# Altium PCB DB46.PcbDoc (part 2 of 6) (continued)
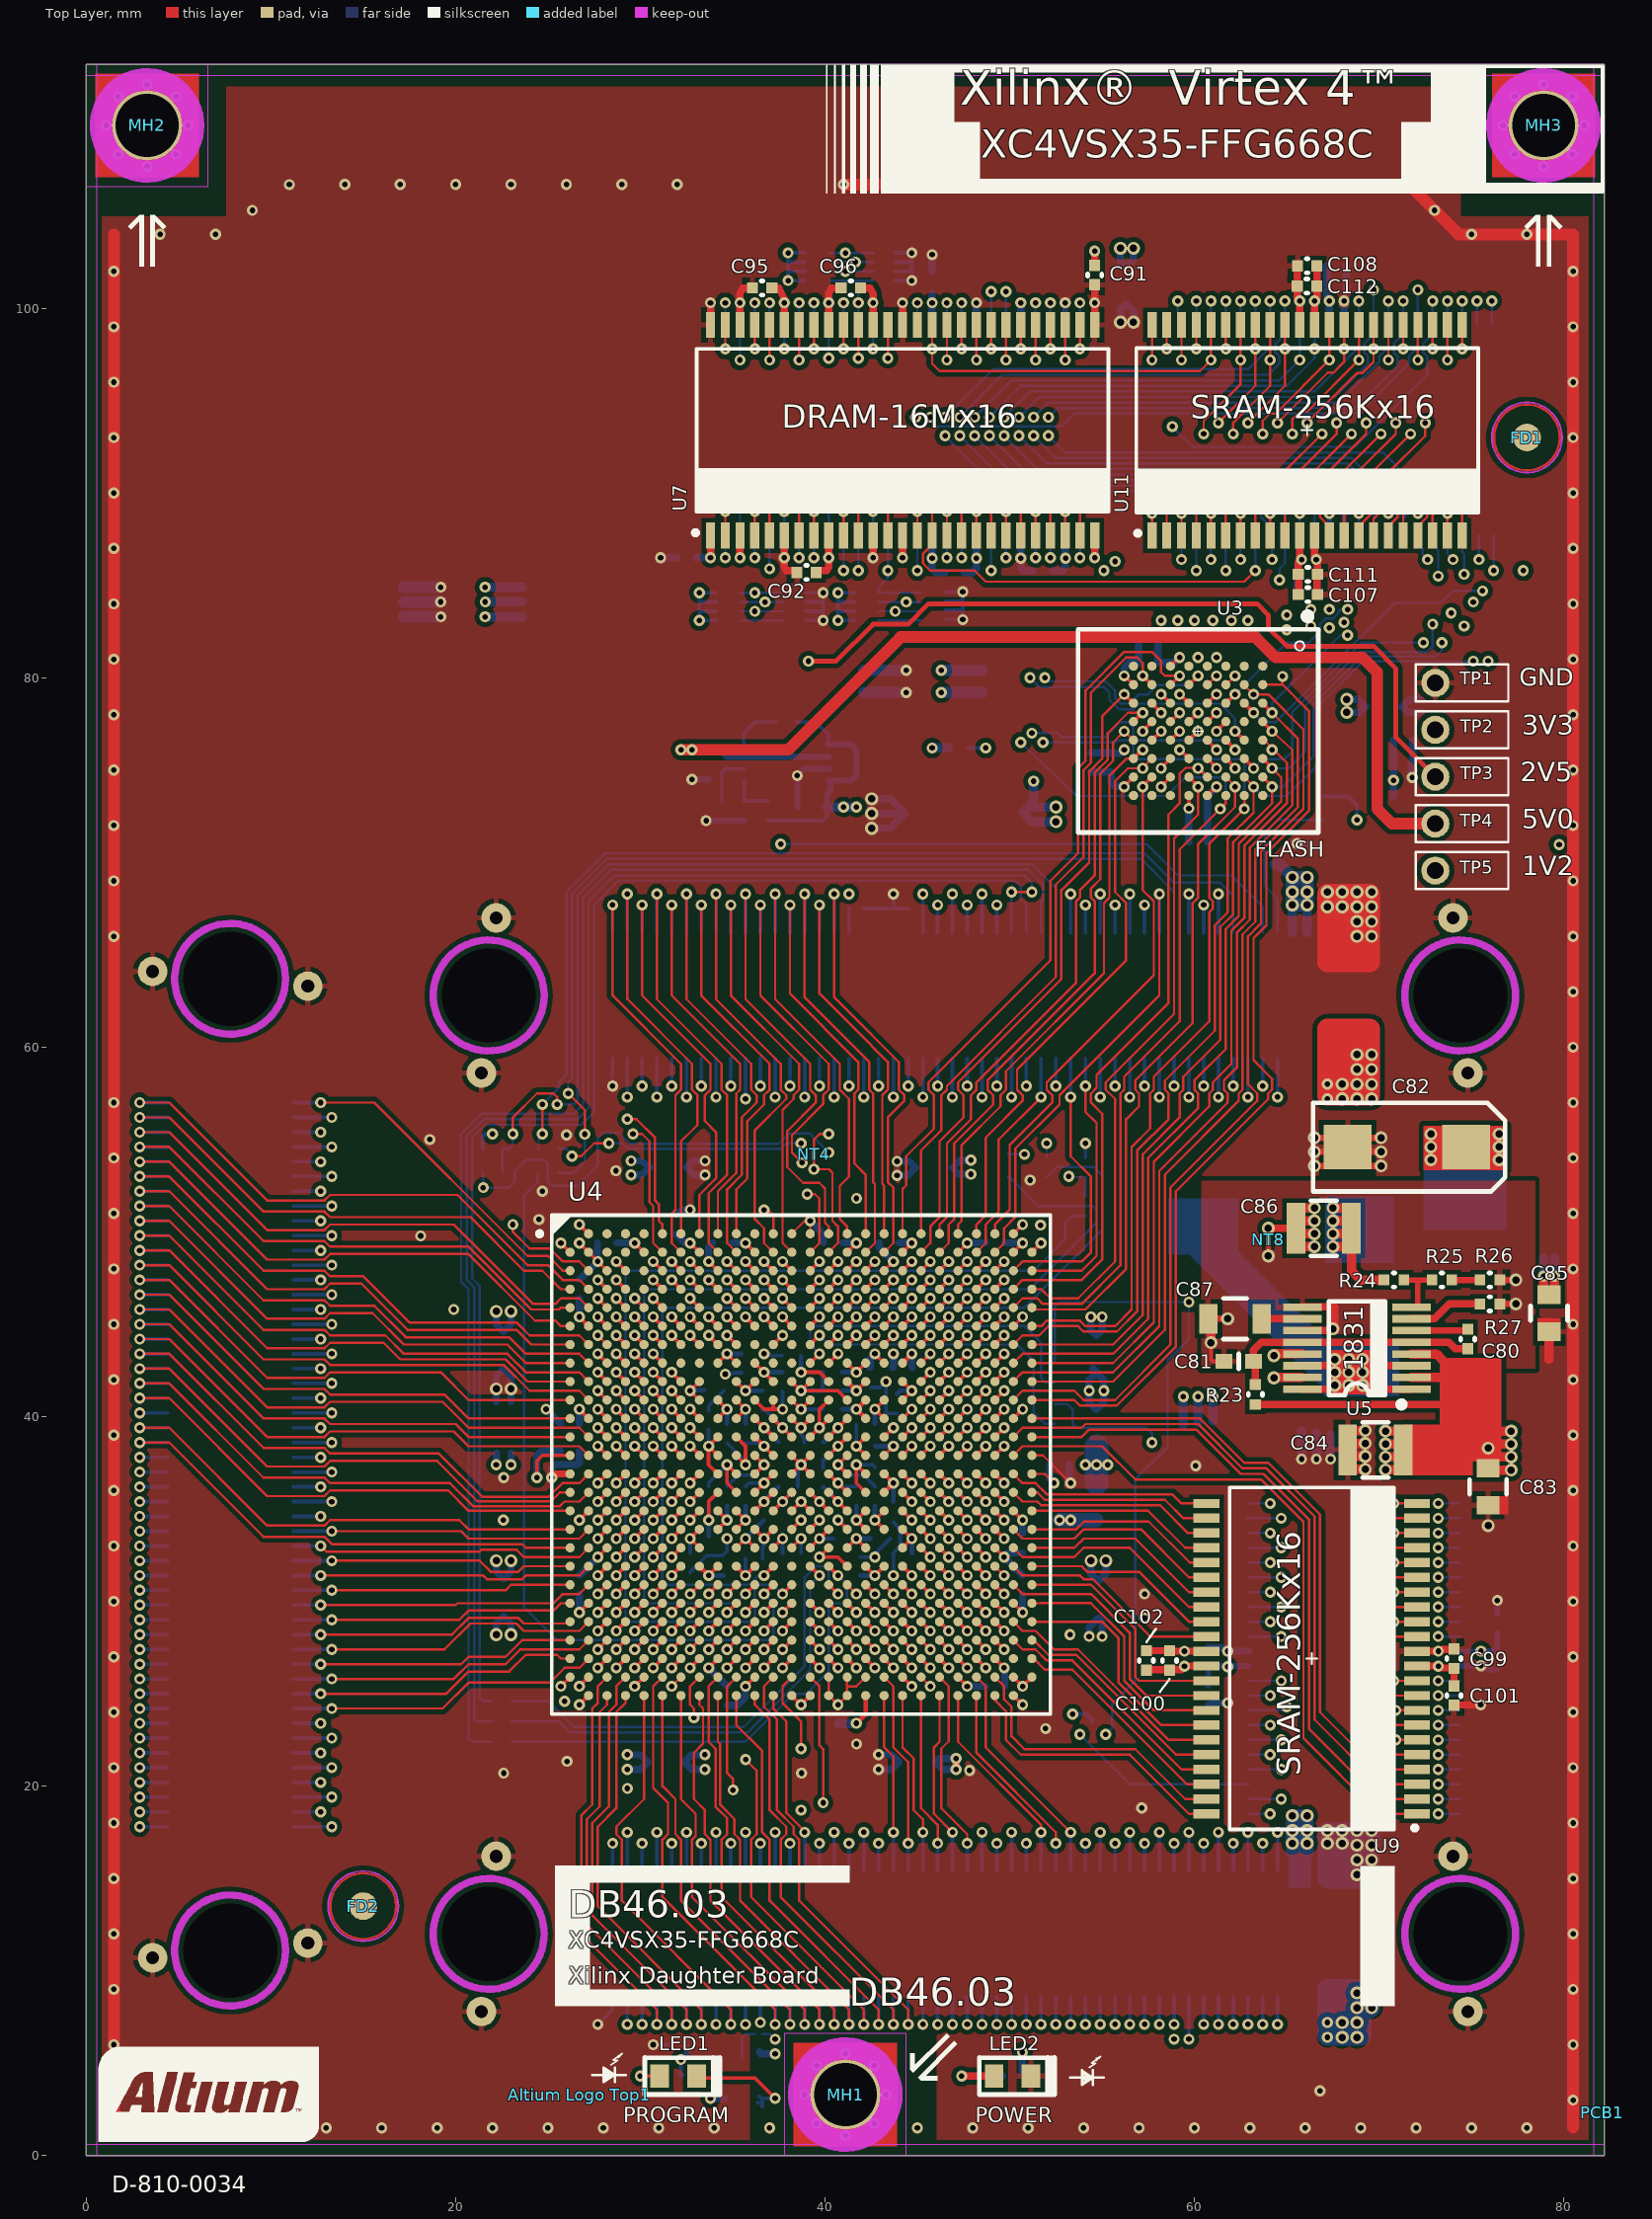
[diagram p0: Top Layer view]
## Nets (pads, with @x,y where several pads share a name; then routed paths per layer and width w, separated by ;. In a path a pad name is that pad's centre, name@x,y a point inside that pad or via, vN(x,y) a via of type N, cw(c..) or ccw(c..) an arc to the next point about the centre after c; other vN are vias at no path point) (continued)
  Top Layer w0.635: v2(32.2,76.1) 38,76.1 44.1,82.2 63.3,82.2 64.4,81.1 69.1,81.1 69.9,80.3 69.9,73.8 69.9,72.9 70.698,72.102 TP4.1@73.043,72.102
  Top Layer w1.1: v1@67.2,57.4 69.5,57.4 69.5,61 67.2,61 v1@67.2,57.4
  MidLayer4 w0.635: TP4.1@73.043,72.102 74.182,70.963 v1(79.746,70.963)
  Bottom Layer w0.33: C89.1@33.7,76.1 34.3,76.1 34.675,75.725 U6.2@40.2,75.725
  Bottom Layer w0.508: v2(32.2,76.1) C89.1@33.7,76.1
  Bottom Layer w1.1: 67.3,6.7 v3@68,6.7 ; v3@69,6.5 69.05,6.5 68.8,6.5 68,6.5 67.2,6.5 67.2,9 69.5,9 69.5,8.8 v3@69.5,8 ; v1@67.2,57.4 69.5,57.4 69.5,58 69.5,58.8 69.5,59.6 69.5,59.8 67.2,59.8 v1@67.2,57.4
  other v1: 67.2,6.4 67.2,7.2 67.2,57.2 67.2,58
  other v2: 32.8,76.1
  other v3: 68,6.4 68.8,6.4 68,7.2 68.8,7.2 68.8,8 69.6,8 68.8,8.8 69.6,8.8 68,57.2 68.8,57.2 69.6,57.2 68,58 68.8,58 69.6,58 68.8,58.8 69.6,58.8 68.8,59.6 69.6,59.6
AGND: C81.2 C87.1 NT8.1 R26.2 R27.2 U5.9 U5.11 | length 11
  Top Layer w0.2: v3(60.9,44) 60.9,43.1 61,43 C81.2@61.6,43
  Top Layer w0.35: C87.1@60.75,45.3 v3(61.8,45.3) ; R27.2@76.538,46.1 v3(77.4,46.1) ; R26.2@76.538,47.4 v3(77.4,47.4)
  Top Layer w0.4: U5.9@65.765,45.94 65.813,45.941 65.851,45.941 67.598,45.945 67.598,45.943 ; U5.11@65.813,44.659 U5.11@65.852,44.659 67.403,44.659 v3(67.493,44.749) ; 67.5,45.943 67.598,45.943 ; v3@67.598,44.749 67.598,44.66 67.598,45.943
  Top Layer w0.5: v3(60.9,44) 60.9,45.15 C87.1@60.75,45.3 C87.1@60.9,45.45
  other v3: 64,48.7
BUS_A1: U3.E2 U4.E18 | length 54.7
  Top Layer w0.2: U4.E18@43.2,45.9 v1(43.7,46.4) ; U3.E2@59.7,79.625 v1(60.2,80.1)
  MidLayer2 w0.127: v1(43.7,46.4) 44.2,46.9 44.2,51.5 44.2,51.8 44.2,52.1 44.6,52.5 45.1,52.5 46.4,53.8 48.7,56.1 51.2,56.1 52.2,57.1 52.2,57.5 51.9,57.8 51.9,67.7 52.1,67.9 52.1,68.3 56.7,72.9 56.7,78.4 57.9,79.6 59.7,79.6 v1(60.2,80.1)
  Bottom Layer w0.127: v1(51.9,80) 52.1,79.8 55.2,79.8 55.7,79.3 55.7,78.9 56,78.6 56.5,78.6 57,79.1 57.5,79.1 58,79.6 59.7,79.6 v1(60.2,80.1)
BUS_A2: U3.D2 U4.M22 U7.23 U8.23 U11.1 U12.1 | length 136.3
  Top Layer w0.127: U7.23@51.4,87.7 v2(51.4,89) ; U11.1@57.7,87.7 v1(57.7,88.9) ; U3.D2@60.7,79.625 60.725,79.625 v1(61.2,80.1)
  Top Layer w0.2: U4.M22@47.2,38.9 v1(47.7,39.4)
  MidLayer1 w0.127: v2(51.4,89) 51.4,89.5 52,90.1 56.5,90.1 v1(57.7,88.9)
  MidLayer2 w0.127: v1(47.7,39.4) 48.2,39.9 52.8,39.9 53.1,39.9 55.4,39.9 60.7,45.2 60.7,54 63.4,56.7 63.4,57.5 63,57.9 63,58.5 62.7,58.8 62.7,67.3 63.4,68 63.4,68.6 62.7,69.3 62.7,71.7 64.7,73.7 64.7,78.4 63.5,79.6 61.7,79.6 v1(61.2,80.1) 62,80.9 71.9,80.9 72.4,81.4 74.2,81.4 76.2,83.4 v1(76.2,85.8)
  MidLayer4 w0.127: v2(37,85.9) 37,88.9 36.5,89.4 36.5,89.8 38,91.3 49.6,91.3 51.4,89.5 v2(51.4,89) ; v1(57.7,88.9) 57.7,89.4 61,92.7 73.778,92.7 76.2,90.278 v1(76.2,85.8)
  Bottom Layer w0.127: v2(37,85.9) U8.23@37,87.7 ; v1(76.2,85.8) U12.1@76.2,87.7
BUS_A3: U3.C2 U4.M19 U7.24 U8.24 U11.2 U12.2 | length 140.3
  Top Layer w0.127: U7.24@52.2,87.7 v2(52.2,89.6) ; U11.2@58.5,87.7 v1(58.5,89.5) ; U3.C2@61.7,79.625 61.725,79.625 v1(62.2,80.1)
  Top Layer w0.178: U4.M19@44.2,38.9 v1(44.7,39.4)
  MidLayer1 w0.127: v2(52.2,89.6) 52.2,89.1 53.2,88.1 58,88.1 58.5,88.6 v1(58.5,89.5)
  MidLayer2 w0.127: v1(44.7,39.4) 45.2,38.9 52.8,38.9 53.1,38.9 54.8,38.9 61,45.1 61,53.8 64,56.8 64,57.5 64.2,57.7 64.2,58.1 63,59.3 63,67.2 63.7,67.9 63.7,68.7 63,69.4 63,71.6 65.1,73.7 65.1,78.5 63.5,80.1 v1(62.2,80.1) 62.2,80.5 62.3,80.6 72.1,80.6 72.5,81 74.3,81 76.7,83.4 76.7,86 76.3,86.4 v1(75.4,86.4)
  MidLayer4 w0.127: v2(36.2,86.5) 36.2,88.2 35.7,88.7 35.7,89.2 36,89.5 36,89.8 37.8,91.6 50.2,91.6 v2(52.2,89.6) ; v1(58.5,89.5) 58.6,89.5 61.5,92.4 73.718,92.4 75.87,90.249 75.87,86.87 v1(75.4,86.4)
  Bottom Layer w0.127: v2(36.2,86.5) U8.24@36.2,87.7 ; v1(75.4,86.4) U12.2@75.4,87.7
BUS_A4: U3.A2 U4.K26 U7.25 U8.25 U11.3 U12.3 | length 120.7
  Top Layer w0.127: U4.K26@51.2,40.9 52.8,40.9 53.1,40.9 53.5,40.9 53.8,40.6 55.8,40.6 59,43.8 59,52.2 64,57.2 64,57.5 64.2,57.7 64.2,58.3 63.2,59.3 63.2,65.9 63.9,66.6 63.9,70.5 66.2,72.8 66.2,78.2 64.775,79.625 ; U7.25@53,87.7 v2(53,89) ; U11.3@59.3,87.7 v1(59.3,88.9) ; U3.A2@63.7,79.625 64.775,79.625 ; v1(64.775,80.075) 64.775,79.625
  MidLayer1 w0.127: v1(64.775,80.075) 69.375,80.075 74.6,85.3 v1(74.6,85.6)
  MidLayer4 w0.127: v2(35.4,89.6) 37.7,91.9 50.612,91.9 53,89.513 v2(53,89) 53.6,88.4 58.8,88.4 v1(59.3,88.9) 59.3,89.8 61.6,92.1 73.659,92.1 75.59,90.169 75.59,87.401 74.6,86.411 v1(74.6,85.6)
  Bottom Layer w0.127: U8.25@35.4,87.7 v2(35.4,89.6) ; U12.3@74.5,87.125 U12.3@74.6,87.225 ; U12.3@74.5,87.7 74.5,86.8 74.6,86.7 v1(74.6,85.6)
BUS_A5: U3.B2 U4.K25 U7.26 U8.26 U11.4 U12.4 | length 126.1
  Top Layer w0.127: U4.K25@50.2,40.9 50.7,41.4 52.8,41.4 53.1,41.4 53.5,41.4 54,40.9 55.7,40.9 58.7,43.9 58.7,52.4 63.4,57.1 63.4,57.5 62.9,58 62.9,66 63.6,66.7 63.6,70.6 65.9,72.9 65.9,77.2 64,79.1 v1(63.2,79.1) 62.7,79.6 U3.B2@62.7,79.625 ; U7.26@53.8,87.7 v2(53.8,89.6) ; U11.4@60.1,87.7 v1(60.1,89.5)
  MidLayer1 w0.127: v2(53.8,89.6) 55,88.4 57.9,88.4 58.2,88.7 58.2,89.1 57.954,89.346 57.954,89.654 58.4,90.1 59.5,90.1 v1(60.1,89.5) ; v1(63.2,79.1) 63.2,79.6 64.2,80.6 69.5,80.6 74,85.1 v1(74,86.4)
  MidLayer4 w0.127: v2(34.6,86.5) 34.6,88.2 34.1,88.7 34.1,89.2 37.1,92.2 51.2,92.2 v2(53.8,89.6) ; v1(60.1,89.5) 60.1,89.8 61.8,91.5 73.5,91.5 74.287,90.712 74.287,89.512 74.5,89.3 74.5,86.9 v1(74,86.4)
  Bottom Layer w0.127: v2(34.6,86.5) U8.26@34.6,87.7 ; U12.4@73.8,87.6 U12.4@73.7,87.7 73.7,86.7 v1(74,86.4)
BUS_A6: U3.D3 U4.E21 U7.29 U8.29 U11.5 U12.5 | length 121.7
  Top Layer w0.127: v2(53.8,97.8) U7.29@53.8,99.1 ; U11.5@60.9,87.7 v1(60.9,88.9)
  Top Layer w0.2: U4.E21@46.2,45.9 v1(46.7,46.4) ; U3.D3@60.7,78.625 v1(61.2,79.1)
  MidLayer1 w0.127: v1(61.2,79.1) 61.6,79.1 61.7,79.2 61.7,79.3 62,79.6 62.8,79.6 64.1,80.9 69.4,80.9 73.2,84.7 v1(73.2,85.5)
  MidLayer2 w0.127: v1(46.7,46.4) 47.2,46.9 47.2,51.5 47.2,51.8 47.2,52.3 47.4,52.5 48.1,52.5 48.6,53 48.6,54.4 49.4,55.2 51.5,55.2 51.8,55.5 52.9,55.5 53.8,56.4 53.8,57.5 53.5,57.8 53.5,58.2 53.9,58.6 53.9,67.2 53.6,67.5 53.6,67.9 53.8,68.1 53.8,69 57.3,72.5 58.2,72.5 58.7,73 58.7,78.3 59,78.6 59.7,78.6 60.2,79.1 v1(61.2,79.1)
  MidLayer3 w0.127: v2(53.8,97.8) 53.8,97.1 60.9,90 v1(60.9,88.9)
  MidLayer4 w0.127: v2(34.6,100.3) 34.6,98.7 34.1,98.2 34.1,97.6 37.1,94.6 51.1,94.6 53.8,97.3 v2(53.8,97.8) ; v1(60.9,88.9) 60.9,89.812 61.987,90.9 72.5,90.9 72.8,90.6 72.8,90.319 73.4,89.719 73.4,89.3 73.2,89.1 v1(73.2,85.5)
  Bottom Layer w0.127: U8.29@34.6,99.1 v2(34.6,100.3) ; U12.5@72.9,87.7 72.9,87.2 73.2,86.9 v1(73.2,85.5)
BUS_A7: U3.C3 U4.L19 U7.30 U8.30 U11.18 U12.18 | length 129.2
  Top Layer w0.127: v2(53,97.2) U7.30@53,99.1 ; U11.18@71.3,87.7 71.3,88.8 71.8,89.3 71.8,89.6 v1(72.3,90.3)
  Top Layer w0.178: U4.L19@44.2,39.9 v1(44.7,40.4)
  Top Layer w0.2: U3.C3@61.7,78.625 v1(62.2,79.1)
  MidLayer2 w0.127: v1(44.7,40.4) 45.2,40.9 52.8,40.9 53.1,40.9 55.975,40.9 59,43.925 60.4,45.325 60.4,54.2 62.4,56.2 62.4,57.5 62.7,57.8 62.7,58.3 62.4,58.6 62.4,71.8 63.7,73.1 63.7,78.3 63.4,78.6 62.7,78.6 v1(62.2,79.1) ; v1(68.3,83.7) 71,86.4 71,88.5 71.8,89.3 71.8,89.8 v1(72.3,90.3)
  MidLayer3 w0.127: v2(53,97.2) 53,98 53.3,98.3 54,98.3 54.3,98 54.3,97.2 61.2,90.3 61.2,89.3 62.5,88 v2(62.5,86.4)
  MidLayer4 w0.127: v2(35.4,97.2) 37.7,94.9 50.7,94.9 v2(53,97.2) ; v2(62.5,86.4) 64,87.9 70.4,87.9 71.8,89.3 71.8,89.8 v1(72.3,90.3)
  Bottom Layer w0.127: v2(35.4,97.2) U8.30@35.4,99.1 ; v1(62.2,79.1) 65,81.9 66.2,81.9 66.8,82.5 66.8,82.9 67.1,83.2 67.5,83.2 67.8,83.5 67.8,83.6 67.9,83.7 v1(68.3,83.7) ; v2(62.5,86.4) U12.18@62.5,88.2
BUS_A8: U3.A3 U4.J26 U7.31 U8.31 U11.19 U12.19 | length 120.3
  Top Layer w0.127: U4.J26@51.2,41.9 52.8,41.9 53.1,41.9 55.6,41.9 58.4,44.7 58.4,53.1 62.4,57.1 62.4,57.5 62.6,57.7 62.6,66.1 63.3,66.8 63.3,70.7 65.6,73 65.6,76.7 v1(64.2,78.1) ; v2(52.2,97.8) U7.31@52.2,99.1 ; U11.19@72.1,87.7 72.1,88.2 72.6,88.7 72.6,89.2 v1(72.9,89.5)
  Top Layer w0.2: U3.A3@63.7,78.625 v1(64.2,78.1)
  MidLayer2 w0.127: v1(68.3,82.3) 68.8,82.3 71.8,85.3 71.8,87.3 72.9,88.4 v1(72.9,89.5)
  MidLayer3 w0.127: v2(52.2,97.8) 52.2,97 52.846,96.354 53.946,96.354 60.2,90.1 60.6,89.7 60.6,89.288 60.588,89.288 60.4,89.1 60.4,88.4 61.7,87.1 v1(61.7,85.8)
  MidLayer4 w0.127: v2(36.2,100.3) 36.2,98.7 35.7,98.2 35.7,97.6 36,97.3 36,97.1 37.9,95.2 50.2,95.2 52.2,97.2 v2(52.2,97.8) ; v1(61.7,85.8) 62.2,85.3 63.8,85.3 65.9,87.4 71.4,87.4 72.6,88.6 72.6,89.2 v1(72.9,89.5)
  Bottom Layer w0.127: U8.31@36.2,99.1 v2(36.2,100.3) ; v1(61.7,85.8) U12.19@61.7,87.7 ; v1(64.2,78.1) 64.2,78.6 67.9,82.3 v1(68.3,82.3)
BUS_A9: U3.B6 U4.L23 U7.32 U8.32 U11.20 U12.20 | length 132.2
  Top Layer w0.127: v2(51.4,97.2) U7.32@51.4,99.1 ; U11.20@72.9,87.7 72.9,88.8 73.7,89.6 v1(73.7,90.5)
  Top Layer w0.2: U4.L23@48.2,39.9 v1(48.7,40.4) ; U3.B6@62.7,75.625 v1@63.2,75.125
  MidLayer1 w0.127: v1(48.7,40.4) 49.2,40.9 50.1,40.9 50.4,41.2 52.8,41.2 53.1,41.2 53.4,41.2 54.1,41.9 55.9,41.9 58.4,44.4 58.4,53.3 62.409,57.309 62.409,57.49 62.4,57.5 62.7,57.8 62.7,59 64,60.3 64,69.4 ; v1@63.2,75.125 63.7,74.625 63.7,74.6 63.7,73.4 63.999,73.1 64,68.8
  MidLayer3 w0.127: v2(51.4,97.2) 52.5,96.1 53.4,96.1 53.9,95.6 59.6,89.9 59.6,89.3 60.1,88.8 60.1,87.2 v2(60.9,86.4) ; v1(72.4,81.9) 72.4,85.4 73.2,86.2 73.2,89.1 73.7,89.6 ; 73.7,89.6 v1(73.7,90.5)
  MidLayer4 w0.127: v2(37,100.3) 37,97.9 36.5,97.4 36.5,97 38,95.5 49.7,95.5 v2(51.4,97.2) ; v2(60.9,86.4) 60.9,85.3 61.7,84.5 73.1,84.5 73.8,85.2 73.8,85.8 73.5,86.1 73.5,88 74.2,88.7 74.2,89.1 74,89.3 74,90.2 v1(73.7,90.5)
  Bottom Layer w0.127: U8.32@37,99.1 v2(37,100.3) ; v2(60.9,86.4) U12.20@60.9,87.7 ; v1(63.2,75.1) 63.7,75.6 64.9,75.6 65.3,76 65.3,78.141 69.059,81.9 v1(72.4,81.9)
BUS_A10: U3.A6 U4.H25 U7.33 U8.33 U11.21 U12.21 | length 120.9
  Top Layer w0.127: U4.H25@50.2,42.9 50.7,43.4 52.8,43.4 53.1,43.4 55.6,43.4 57.5,45.3 57.5,54 60.2,56.7 60.2,57.5 60,57.7 60,58.2 61.7,59.9 61.7,66.4 62.4,67.1 62.4,69.904 ; v2(50.6,97.8) U7.33@50.6,99.1 ; 62.4,69.6 62.4,71 64.7,73.3 64.7,74.6 v1(64.2,75.1) v1@64.2,75.125 ; U11.21@73.7,87.7 v1(73.7,88.9)
  Top Layer w0.2: U3.A6@63.7,75.625 v1@64.2,75.125
  MidLayer2 w0.127: v1(72.9,82.9) 72.9,84.3 73.7,85.1 73.7,85.9 73.5,86.1 73.5,88.1 73.7,88.3 v1(73.7,88.9)
  MidLayer3 w0.127: v2(50.6,97.8) 50.6,96.8 51.6,95.8 53.3,95.8 59,90.1 59,89.3 58.8,89.1 58.8,87.6 60.1,86.3 v1(60.1,85.8)
  MidLayer4 w0.127: v2(37.8,97.8) 37.8,96.9 38.9,95.8 49.2,95.8 50.6,97.2 v2(50.6,97.8) ; v1(60.1,85.8) 60.1,88.8 60.588,89.288 60.6,89.288 60.6,89.919 61.881,91.2 72.7,91.2 73.1,90.8 73.1,90.4 73.7,89.8 v1(73.7,88.9)
  Bottom Layer w0.127: v2(37.8,97.8) U8.33@37.8,99.1 ; v1(60.1,85.8) U12.21@60.1,87.7 ; v1(64.2,75.1) 65.1,75.1 66,76 66,78.481 68.918,81.4 72.6,81.4 72.9,81.7 v1(72.9,82.9)
BUS_A11: U3.C6 U4.K24 U7.34 U8.34 U11.22 U12.22 | length 127.8
  Top Layer w0.127: v2(49.8,97.2) U7.34@49.8,99.1 ; U11.22@74.5,87.7 74.5,89.4 v1(74.8,89.7)
  Top Layer w0.2: U4.K24@49.2,40.9 v1(49.7,41.4) ; U3.C6@61.7,75.625 v1@62.2,75.125
  MidLayer1 w0.127: v1(49.7,41.4) 50.1,41.4 50.3,41.6 52.8,41.6 53.1,41.6 53.4,41.6 54,42.2 55.8,42.2 58.1,44.5 58.1,53.4 61.8,57.1 61.8,57.5 61.5,57.8 61.5,58.4 63.7,60.6 63.7,72.9 62.7,73.9 62.7,74.625 v1@62.2,75.125
  MidLayer2 w0.127: v1(74.6,82.8) 74.6,84.8 75.1,85.3 75.1,85.9 74.8,86.2 v1(74.8,89.7)
  MidLayer3 w0.127: v2(49.8,97.2) 51.5,95.5 53.2,95.5 57.9,90.8 57.9,89.4 58.2,89.1 58.2,87.5 v2(59.3,86.4)
  MidLayer4 w0.127: v2(38.6,100.3) 38.6,97.9 38.1,97.4 38.1,97 39,96.1 48.7,96.1 v2(49.8,97.2) ; v2(59.3,86.4) 59.3,88.2 59.8,88.7 59.8,89.1 59.6,89.3 59.6,89.7 61.7,91.8 73.6,91.8 74.8,90.6 v1(74.8,89.7) ; v1(62.2,75.1) 62.7,75.6 67.3,75.6 72.7,81 74,81 74.6,81.6 v1(74.6,82.8)
  Bottom Layer w0.127: U8.34@38.6,99.1 v2(38.6,100.3) ; v2(59.3,86.4) U12.22@59.3,87.7
BUS_A12: U3.D6 U4.K23 U7.22 U8.22 U11.23 U12.23 | length 139.2
  Top Layer w0.127: U7.22@50.6,87.7 v2(50.6,89.6) ; v2(74.5,97.8) U11.23@74.5,99.1
  Top Layer w0.2: U4.K23@48.2,40.9 v1(48.7,41.4) ; U3.D6@60.7,75.625 v1@61.2,75.125
  MidLayer1 w0.127: v1(48.7,41.4) 49.2,41.9 52.8,41.9 53.1,41.9 53.3,41.9 53.9,42.5 55.7,42.5 57.8,44.6 57.8,53.5 60.8,56.5 60.8,57.5 61.1,57.8 61.1,58.5 61.4,58.8 61.8,59.201 62.2,59.6 62.2,73.4 61.7,73.9 61.7,74.6 v1(61.2,75.1) 61.2,75.125 v1@61.213,75.113
  MidLayer2 w0.127: v2(50.6,89.6) 51.4,90.4 54.4,90.4 58.8,94.8 58.8,97.4 59.1,97.7 v2(59.1,100.4) ; v2(74.5,97.8) 74.5,91.7 77.3,88.9 77.3,82.3 v1(75.9,80.9)
  MidLayer4 w0.127: v2(37.8,89) 37.8,89.9 38.9,91 49.2,91 v2(50.6,89.6) ; v2(59.1,100.4) 59.1,99.9 59.3,99.7 59.3,97.9 59.8,97.4 59.8,96.8 60.2,96.4 74,96.4 74.5,96.9 v2(74.5,97.8) ; v1(61.2,75.1) 61.7,74.6 69.6,74.6 70.974,75.974 74.074,75.974 75.9,77.8 v1(75.9,80.9)
  Bottom Layer w0.127: U8.22@37.8,87.7 v2(37.8,89) ; v2(59.1,100.4) 59.1,99.8 59.3,99.6 U12.23@59.3,99.1
BUS_A13: U3.B7 U4.G25 U7.35 U8.35 U11.24 U12.24 | length 127.6
  Top Layer w0.127: v2(49,97.8) U7.35@49,99.1 ; U4.G25@50.2,43.9 50.7,44.4 51.6,44.4 52.1,44.9 52.8,44.9 53.1,44.9 53.7,44.9 53.987,44.612 55.812,44.612 56.9,45.7 56.9,54.4 58.6,56.1 58.6,57.5 58.4,57.7 58.4,58.187 61.1,60.887 61.1,66.6 61.8,67.3 61.8,71.3 63.2,72.7 63.2,74.125 U3.B7@62.7,74.625 ; v2(73.7,97.2) U11.24@73.7,99.1
  MidLayer1 w0.127: v2(49,97.8) 49,99.4 51.1,101.5 59,101.5 v2(60.1,100.4)
  MidLayer2 w0.127: v2(73.7,97.2) 74,96.9 74,91.6 77,88.6 77,82.8 v1(75.1,80.9)
  MidLayer4 w0.127: v2(39.4,100.3) 39.4,98.6 38.9,98.1 38.9,97.6 40.1,96.4 48.2,96.4 49,97.2 v2(49,97.8) ; v2(60.1,100.4) 61.5,101.8 72,101.8 72.6,101.2 72.6,100.8 72.4,100.6 72.4,99.2 73.4,98.2 73.4,97.5 v2(73.7,97.2)
  Bottom Layer w0.127: U8.35@39.4,98.6 39.4,99.1 v2(39.4,100.3) ; U12.24@60.1,99.1 v2(60.1,100.4) ; v1(63.2,74.1) 63.7,73.6 65,73.6 66.713,75.313 66.713,78.476 69.129,80.892 75.092,80.892 v1(75.1,80.9)
BUS_A14: U3.A7 U4.G26 U7.36 U8.36 U11.25 U12.25 | length 117.5
  Top Layer w0.127: v2(48.2,97.2) U7.36@48.2,99.1 ; U4.G26@51.2,43.9 52.8,43.9 53.1,43.9 55.6,43.9 57.2,45.5 57.2,54.2 59.2,56.2 59.2,57.5 59.4,57.7 59.4,58.4 61.4,60.4 61.4,66.5 62.1,67.2 62.1,71.1 64.2,73.2 v1@64.2,74.125 ; v2(72.9,97.8) U11.25@72.9,99.1
  Top Layer w0.2: U3.A7@63.7,74.625 v1@64.2,74.125
  MidLayer1 w0.127: v2(48.2,97.2) 48.2,99.6 48.7,100.1 48.7,100.5 48.5,100.7 48.5,101.1 48.8,101.4 50.5,101.4 50.9,101.8 59.5,101.8 v2(60.9,100.4)
  MidLayer3 w0.127: v2(72.9,97.8) 73.2,97.5 73.2,96.9 74.2,95.9 74.2,90.3 74,90.1 74,89.3 74.2,89.1 74.2,87.5 73.5,86.8 73.5,86.1 73.7,85.9 73.7,85.2 73.4,84.9 v1(73.4,81.9)
  MidLayer4 w0.127: v2(40.2,97.3) 40.8,96.7 47.7,96.7 v2(48.2,97.2) ; v2(60.9,100.4) 62,101.5 70.9,101.5 72.1,100.3 72.1,98.6 v2(72.9,97.8)
  Bottom Layer w0.127: v2(40.2,97.3) U8.36@40.2,99.1 ; U12.25@60.9,99.1 v2(60.9,100.4) ; v1(64.2,74.1) 64.8,74.1 66.459,75.759 66.459,78.581 69.024,81.146 73.046,81.146 73.4,81.5 v1(73.4,81.9)
BUS_A15: U3.C7 U4.E26 U7.20 U8.20 U11.26 U12.26 | length 118.1
  Top Layer w0.127: U7.20@49,87.7 v2(49,89.6) ; U4.E26@51.2,45.9 51.3,45.8 52.8,45.8 53.1,45.8 54.1,45.8 56.3,48 56.3,56.1 57,56.8 57,57.5 56.8,57.7 56.8,58.2 59.9,61.3 59.9,67.8 60.2,68.1 60.2,71 62.2,73 v1(62.2,74.1) 62.2,74.125 U3.C7@61.7,74.625 ; v2(72.1,97.2) U11.26@72.1,99.1
  MidLayer2 w0.127: v2(49,89.6) 50.1,90.7 54.1,90.7 58.2,94.8 58.2,97.4 58,97.6 58,98.6 58.25,98.85 58.6,99.2 58.6,100.6 58.9,100.9 61.2,100.9 v2(61.7,100.4) ; v1(68.1,83) 68.5,83 71.4,85.9 71.4,87.4 72.6,88.6 72.6,89.1 72.4,89.3 72.4,89.7 72.8,90.1 72.8,90.8 72.3,91.3 72.3,93.3 72,93.6 72,94.1 72.1,94.2 v2(72.1,97.2)
  MidLayer3 w0.127: v1(62.2,74.1) 62.7,74.6 64.4,74.6 67.7,77.9 67.7,82.4 67.8,82.5 67.8,82.7 v1(68.1,83)
  MidLayer4 w0.127: v2(39.4,86.5) 39.4,88.3 38.9,88.8 38.9,89.2 39.2,89.5 39.2,89.8 39.8,90.4 48.2,90.4 v2(49,89.6) ; v2(61.7,100.4) 61.7,99.8 62.8,98.7 69.7,98.7 71.2,97.2 v2(72.1,97.2)
  Bottom Layer w0.127: v2(39.4,86.5) U8.20@39.4,87.7 ; U12.26@61.7,99.1 v2(61.7,100.4)
BUS_A16: U3.D7 U4.D25 U7.21 U8.21 U11.27 U12.27 | length 122.5
  Top Layer w0.127: U7.21@49.8,87.7 v2(49.8,89) ; U4.D25@50.2,46.9 50.7,47.4 52.8,47.4 53.1,47.4 53.9,47.4 55,48.5 55,56.4 54.4,57 54.4,57.5 54.7,57.8 54.7,58.5 58.6,62.4 58.6,72.6 59.2,73.2 59.2,74.8 59.525,75.125 v1@60.2,75.125 ; v2(71.3,97.8) U11.27@71.3,99.1
  Top Layer w0.2: v1@60.2,75.125 60.213,75.113 U3.D7@60.7,74.625
  MidLayer2 w0.127: v2(49.8,89) 48.9,89 48.5,89.4 48.5,89.8 48.9,90.2 49.7,91 53.8,91 57.2,94.4 57.2,98.5 58.2,99.5 58.2,100.6 58.8,101.2 61.8,101.2 62.5,100.5 v2(62.5,100.4) ; v1(67.3,83.7) 70,86.4 70,89.1 70.2,89.3 70.2,89.7 69.9,90 69.9,90.5 71.2,91.8 71.2,93.4 71.4,93.6 71.4,94.1 71.3,94.2 v2(71.3,97.8)
  MidLayer4 w0.127: v2(38.6,86.5) 38.6,88.9 38.1,89.4 38.1,89.8 39,90.7 48.6,90.7 49.8,89.5 v2(49.8,89) ; v1(60.2,75.1) 60.2,76.1 59.7,76.6 59.7,77.3 60,77.6 60.4,77.6 60.7,77.9 60.7,78.3 61,78.6 64.1,78.6 66.8,81.3 66.8,83.2 v1(67.3,83.7) ; v2(62.5,100.4) 62.5,99.8 62.8,99.5 70.7,99.5 71.3,98.9 v2(71.3,97.8)
  Bottom Layer w0.127: v2(38.6,86.5) U8.21@38.6,87.7 ; U12.27@62.5,99.1 v2(62.5,100.4)
BUS_A17: U3.E7 U4.D26 U11.42 U12.42 | length 100.7
  Top Layer w0.127: U4.D26@51.2,46.9 51.7,46.9 52.2,46.4 52.8,46.4 53.1,46.4 53.7,46.4 55.7,48.4 55.7,57.2 55.2,57.7 55.2,58.1 58.9,61.8 58.9,71.3 60.2,72.6 v1(60.2,74.1) ; v2(59.3,97.2) U11.42@59.3,99.1
  Top Layer w0.2: U3.E7@59.7,74.625 v1(60.2,74.1)
  MidLayer3 w0.127: v2(74.5,100.4) 74.5,98.5 75.3,97.7 75.3,97.2 75,96.9 75,90.8 75.3,90.5 75.3,87.1 74.9,86.7 74.9,86.1 75.1,85.9 v1(75.1,84.1)
  MidLayer4 w0.127: v2(59.3,97.2) 59.3,96.7 59.9,96.1 74.1,96.1 75,97 75,98.7 74.5,99.2 v2(74.5,100.4) ; v1(60.2,74.1) 60.7,73.6 73.4,73.6 76.4,76.6 76.4,82.8 v1(75.1,84.1)
  Bottom Layer w0.127: U12.42@74.5,99.1 v2(74.5,100.4)
BUS_A18: U3.B3 U4.K22 U11.43 U12.43 | length 104.9
  Top Layer w0.127: v2(58.5,97.8) U11.43@58.5,99.1 ; v1(63.2,78.1) v1@63.2,78.125
  Top Layer w0.2: U4.K22@47.2,40.9 v1(47.7,41.4) ; U3.B3@62.7,78.625 v1@63.2,78.125
  MidLayer2 w0.127: v1(47.7,41.4) 48.2,41.9 50.8,41.9 51.4,42.5 52.8,42.5 53.1,42.5 54.8,42.5 58.6,46.3 60.1,47.8 60.1,54.4 61.9,56.2 61.9,57.4 61.5,57.8 61.5,58.3 62.1,58.9 62.1,67.9 62.1,72.2 62.2,72.3 62.2,73.3 62.7,73.8 62.7,75.6 62.7,77.6 v1(63.2,78.1)
  MidLayer3 w0.127: v2(75.3,100.4) 75.3,98.2 75.6,97.9 75.6,97 75.3,96.7 75.3,91 75.6,90.7 75.6,87 75.9,86.7 75.9,86.2 75.6,85.9 v1(75.6,84.7)
  MidLayer4 w0.127: v2(58.5,97.8) 58.5,97.1 59.8,95.8 74.2,95.8 75.3,96.9 v2(75.3,100.4)
  Bottom Layer w0.127: v1(63.2,78.1) 63.7,77.6 64.4,77.6 70.85,84.05 73.35,84.05 74,84.7 v1(75.6,84.7) ; U12.43@75.3,99.1 v2(75.3,100.4)
BUS_A19: U3.C4 U4.H22 U11.44 U12.44 | length 109.5
  Top Layer w0.127: v2(57.7,97.2) U11.44@57.7,99.1
  Top Layer w0.2: U4.H22@47.2,42.9 v1(47.7,43.4) ; v1(61.2,77.1) U3.C4@61.7,77.625
  MidLayer2 w0.127: v1(47.7,43.4) 48.2,43.9 52.8,43.9 53.1,43.9 55.3,43.9 59.5,48.1 59.5,54.875 60.2,55.575 60.2,57.5 59.9,57.8 59.9,58.2 59.5,58.6 59.5,67.7 59.2,68 59.2,71.5 60.7,73 60.7,76.6 v1(61.2,77.1)
  MidLayer3 w0.127: v2(76.1,100.4) 76.1,99.7 75.9,99.5 75.9,96.7 75.6,96.4 75.6,91.2 75.9,90.9 75.9,87.7 76.1,87.5 v1(77.8,85.8)
  MidLayer4 w0.127: v2(57.7,97.2) 59.4,95.5 74.337,95.5 76.1,97.262 v2(76.1,100.4) ; v1(61.2,77.1) 61.7,76.6 67.8,76.6 72.5,81.3 73.7,81.3 74,81.6 74,82.9 74.5,83.4 74.5,84.3 75.4,85.2 77.1,85.2 77.7,85.8 v1(77.8,85.8)
  Bottom Layer w0.127: U12.44@76.1,99.1 v2(76.1,100.4)
BUS_A20: U3.D5 U4.J23 U11.28 U12.28 | length 87
  Top Layer w0.127: v2(70.5,97.2) U11.28@70.5,99.1
  Top Layer w0.2: U4.J23@48.2,41.9 v1(48.7,42.4) ; U3.D5@60.7,76.625 v1(61.2,76.1)
  MidLayer1 w0.127: v1(48.7,42.4) 49.2,42.9 52.8,42.9 53.1,42.9 55.7,42.9 57.4,44.6 57.4,54.3 60.2,57.1 60.2,57.5 59.9,57.8 59.9,58.1 61.9,60.1 61.9,71.3 60.7,72.5 60.7,75.6 v1(61.2,76.1)
  MidLayer2 w0.127: v2(63.3,100.4) 63.8,100.9 69.1,100.9 69.7,100.3 69.7,98.9 70.5,98.1 70.5,94.2 70.4,94.1 70.4,93.6 70.7,93.3 70.7,92 69.4,90.7 69.4,89.9 69.2,89.7 69.2,89.3 69.4,89.1 69.4,86.7 66.8,84.1 66.8,83.2 v1(67.3,82.7)
  MidLayer4 w0.127: v1(61.2,76.1) 60.7,76.6 60.7,77.3 61,77.6 64.4,77.6 67.3,80.5 v1(67.3,82.7)
  Bottom Layer w0.127: U12.28@63.3,99.1 v2(63.3,100.4)
BUS_A21: U3.D4 U4.J22 | length 47.1
  Top Layer w0.2: U4.J22@47.2,41.9 v1(47.7,42.4) ; U3.D4@60.7,77.625 v1(61.2,78.1)
  MidLayer2 w0.127: v1(47.7,42.4) 48.2,42.9 52.8,42.9 53.1,42.9 54.8,42.9 59.8,47.9 59.8,54.625 60.5,55.325 60.5,57.2 61.1,57.8 61.1,58.4 61.8,59.1 61.8,69.825 61.8,72.5 61.9,72.6 61.9,73.1 61.7,73.3 61.7,73.9 61.7,77.6 v1(61.2,78.1)
BUS_A22: U3.C5 U4.L24 | length 61.5
  Top Layer w0.2: U4.L24@49.2,39.9 v1(49.7,40.4) ; U3.C5@61.7,76.625 v1@62.2,76.125
  MidLayer1 w0.127: v1(49.7,40.4) 50,40.4 50.5,40.9 52.8,40.9 53.1,40.9 55.3,40.9 58.7,44.3 58.7,53.2 62.3,56.8 63.2,56.8 63.4,57 63.4,57.5 63.1,57.8 63.1,58.9 64.3,60.1 64.3,69.7 64.7,70.1 64.7,75.4 64.5,75.6 63.7,75.6 63.175,76.125 v1@62.2,76.125
  Bottom Layer w0.127: v1(51.2,77) 52.6,77 52.8,76.8 55.2,76.8 56,77.6 56.4,77.6 56.7,77.3 56.7,76.8 56.9,76.6 61.7,76.6 62.175,76.125 v1@62.2,76.125
  other v1: 62.2,76.1
BUS_A23: U3.B8 U4.F26 | length 50.8
  Top Layer w0.127: U4.F26@51.2,44.9 51.7,44.9 52,45.2 52.8,45.2 53.1,45.2 53.8,45.2 54.1,44.9 55.7,44.9 56.6,45.8 56.6,54.6 57.6,55.6 57.6,57.5 57.8,57.7 57.8,58.4 60.8,61.4 60.8,67.3 61,67.5 61,67.9 60.8,68.1 60.8,71 v1(62.7,72.9) U3.B8@62.7,73.625
  Bottom Layer w0.127: v1(51.8,76.5) 55.725,76.5 55.825,76.6 56.5,76.6 56.7,76.4 56.7,75.8 56.9,75.6 62.5,75.6 62.7,75.4 v1(62.7,72.9)
BUS_A24: U3.C8 U4.E25 | length 49.2
  Top Layer w0.127: U4.E25@50.2,45.9 50.7,46.4 51.225,46.4 51.487,46.4 51.788,46.1 52.8,46.1 53.1,46.1 53.9,46.1 56,48.2 56,57.5 56.2,57.7 56.2,58.4 59.2,61.4 59.2,70.7 v1(61.4,72.9) 61.7,73.2 U3.C8@61.7,73.625
  Bottom Layer w0.127: v1(50.6,76.5) 53.6,73.6 58.5,73.6 59.5,74.6 61.5,74.6 61.7,74.4 61.7,73.2 v1(61.4,72.9)
BUS_D0: U3.E3 U4.E20 U7.2 U11.7 | length 100.8
  Top Layer w0.127: U7.2@34.6,87.7 v2(34.6,89) ; U11.7@62.5,87.7 v1(62.5,88.9) 62.5,89.4 64.1,91 64.7,91 v2(66.9,93.2)
  Top Layer w0.2: U4.E20@45.2,45.9 v1(45.7,46.4) ; v1(59.2,79.1) U3.E3@59.7,78.625
  MidLayer1 w0.127: v2(34.6,89) 34.6,89.5 37.6,92.5 56.8,92.5 57,92.7 66.4,92.7 v2(66.9,93.2) ; v1(59.2,79.1) 57.7,80.6 57.7,83.4 59.2,84.9 62.3,84.9 62.8,85.4 62.8,86 63,86.2 63,86.6 62.5,87.1 v1(62.5,88.9)
  MidLayer2 w0.127: v1(45.7,46.4) 46.2,46.9 46.2,51.5 46.2,51.8 46.2,53.1 48.8,55.7 51.4,55.7 51.7,56 52.6,56 52.8,56.2 52.8,57.5 53.1,57.8 53.1,67.7 52.8,68 52.8,68.5 53.2,68.9 ; 52.95,68.65 57.7,73.4 57.7,78.4 57.9,78.6 58.475,78.6 58.975,79.1 v1(59.2,79.1)
BUS_D1: U3.H3 U4.B20 U7.4 U11.8 | length 95.1
  Top Layer w0.127: U7.4@36.2,87.7 v2(36.2,89) ; U4.B20@45.2,48.9 45.7,49.4 45.7,50.3 46.2,50.8 46.2,51.5 46.2,51.8 46.2,54.9 47.5,56.2 47.5,57.4 47.2,57.7 47.2,58.1 52.8,63.7 52.8,68.5 54.3,70 54.3,74.918 55,75.618 55,77.9 v1(56.2,79.1) ; U11.8@63.3,87.7 v1(63.3,89.5) 64.4,90.6 65.1,90.6 67.7,93.2 v2(67.7,93.8)
  Top Layer w0.2: v1(56.2,79.1) U3.H3@56.7,78.625
  MidLayer1 w0.127: v2(36.2,89) 36.2,89.5 38.9,92.2 57,92.2 57.2,92.4 66.8,92.4 67.7,93.3 v2(67.7,93.8) ; v1(56.2,79.1) 56.7,79.6 56.7,82.9 59.1,85.3 61.9,85.3 62.2,85.6 62.2,86 62,86.2 62,89.1 62.4,89.5 v1(63.3,89.5)
BUS_D2: U3.E4 U4.E22 U7.5 U11.9 | length 97.6
  Top Layer w0.127: U7.5@37,87.7 v2(37,89.6) ; U11.9@64.1,87.7 64.1,89.4 64.7,90 65.3,90 v2(68.5,93.2)
  Top Layer w0.2: U4.E22@47.2,45.9 v1(47.7,46.4) ; U3.E4@59.7,77.625 v1(60.2,78.1)
  MidLayer1 w0.127: v2(37,89.6) 39.3,91.9 57.2,91.9 57.4,92.1 67.4,92.1 v2(68.5,93.2) ; v1(60.2,78.1) 59.7,78.6 59.7,81.5 60.1,81.9 62.4,81.9 63.8,83.3 63.8,85.3 64.7,86.2 64.7,88.3 v1(64.1,88.9)
  MidLayer2 w0.127: v1(47.7,46.4) 48.2,46.9 48.2,51.5 48.2,51.8 48.2,52.1 49.5,53.4 51,53.4 51.8,54.2 52.4,54.2 54.4,56.2 54.4,57.5 54.6,57.7 54.6,67.9 54.3,68.2 54.3,68.8 57.6,72.1 58.7,72.1 58.9,72.3 59.2,72.6 59.2,73.7 59.7,74.2 59.7,77.6 v1(60.2,78.1)
BUS_D3: U3.H4 U4.A21 U7.7 U11.10 | length 93.8
  Top Layer w0.127: U7.7@38.6,87.7 v2(38.6,89.6) ; U4.A21@46.2,49.9 46.2,50.4 46.6,50.8 46.6,51.5 46.6,51.8 46.6,54.8 47.9,56.1 47.9,57.4 48.2,57.7 48.2,58.1 53.6,63.5 53.6,67.9 53.8,68.1 53.8,68.5 54.6,69.3 54.6,74.859 55.3,75.559 55.3,77 56.4,78.1 v1(57.2,78.1) ; U11.10@64.9,87.7 v1(64.9,89.5) 65.6,89.5 69.3,93.2 v2(69.3,93.8)
  Top Layer w0.2: U3.H4@56.7,77.625 v1@57.187,78.112
  MidLayer1 w0.127: v2(38.6,89.6) 40.6,91.6 57.4,91.6 57.6,91.8 67.9,91.8 69.3,93.2 v2(69.3,93.8) ; v1(60.2,81.1) 60.2,81.5 60.3,81.6 62.5,81.6 64.1,83.2 64.1,83.8 65.2,84.9 65.2,85.6 65,85.8 65,88.8 64.9,88.9 v1(64.9,89.5)
  MidLayer3 w0.127: v1(57.2,78.1) 57.2,79.2 57.3,79.3 58.6,80.6 59.4,80.6 59.7,80.9 59.7,81 59.8,81.1 v1(60.2,81.1)